# Altium PCB ARES_R30_Power.PcbDoc (part 1 of 3) (continued)
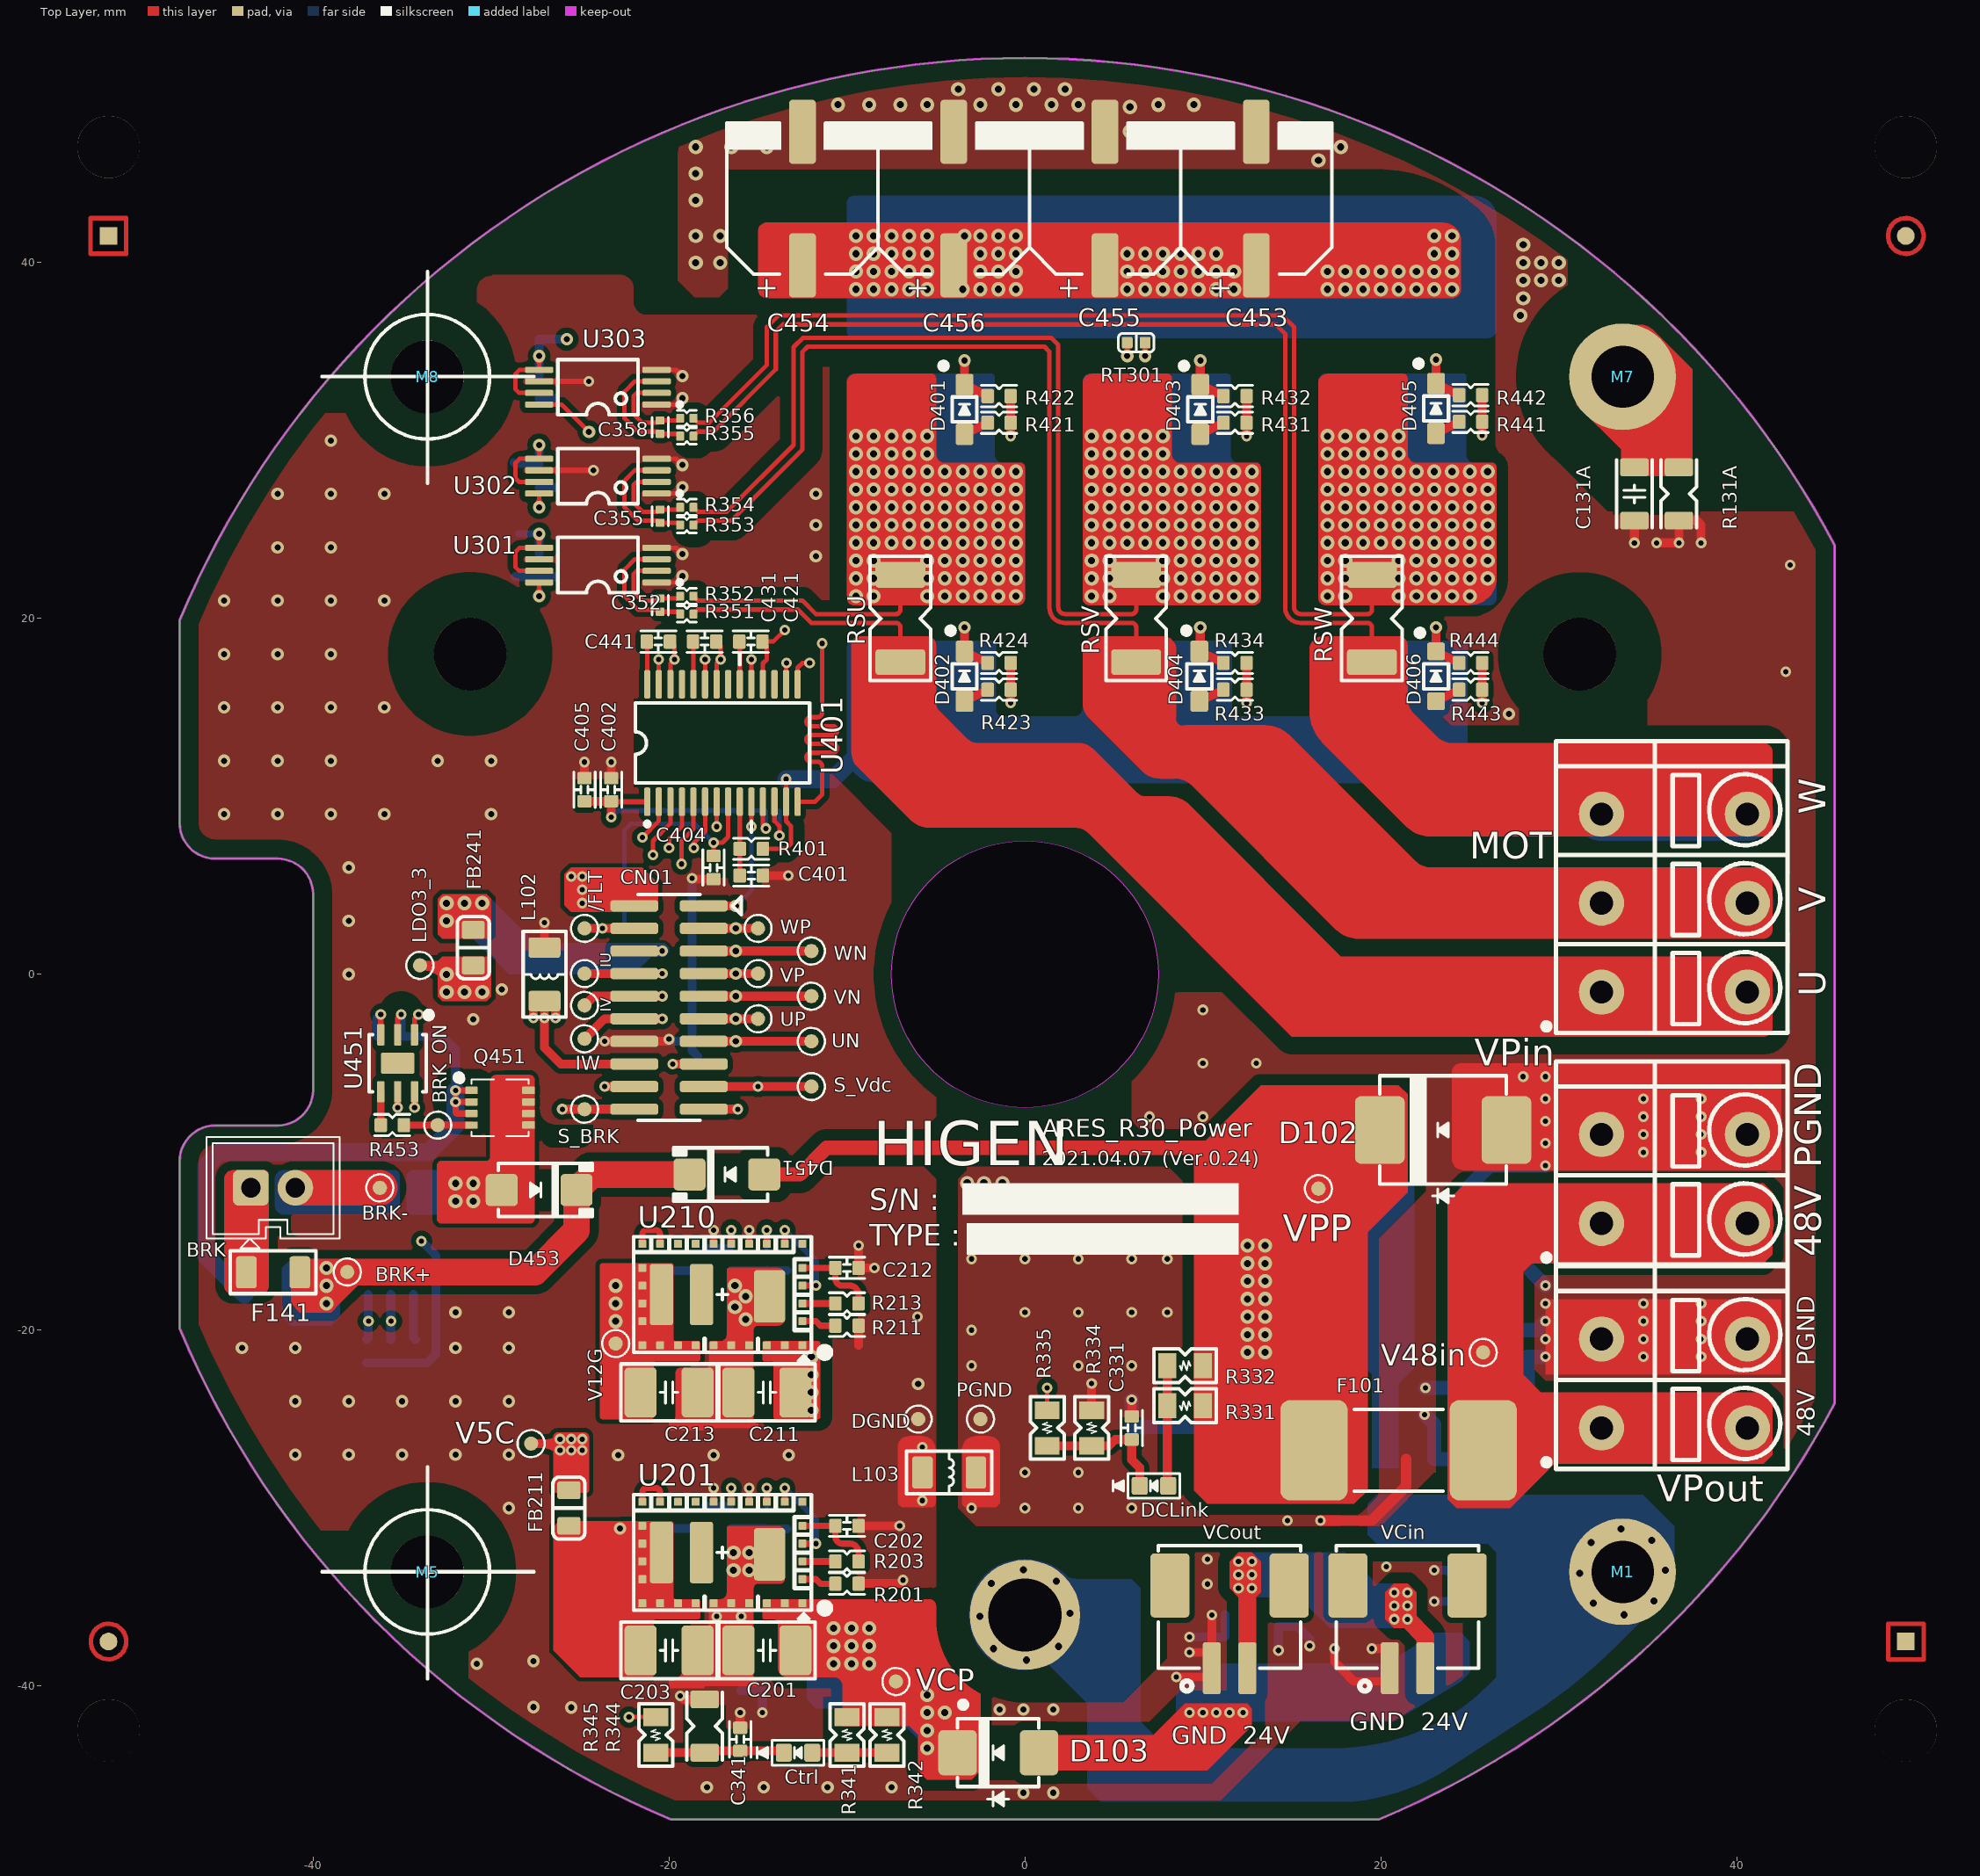
[diagram p0: Top Layer view]
## Components (designator, comment, footprint, x,y, rotation, side; value= is the part's Value field where it differs from the comment) (continued)
BRK_ON "TP" TP-SMD -33,-8.475 r90 top
C103 "4.7uF(32)/100V" c-3216 20.25,-28.75 r90 bottom
C104 "4.7uF(32)/100V" c-3216 23,-28.75 r270 bottom
C105 "10nF(57)" C-5750 22.5,-16 r180 bottom
C113 "4.7uF(32)/100V" c-3216 25.75,-38.5 r180 bottom
C114 "4.7uF(32)/100V" c-3216 25.75,-35.25 r0 bottom
C115 "10nF(32)" C-3216S 11.25,-38.75 r270 bottom
C116 "EEHZC1J220XP, D6.3H7.7" EC-F80 -13.25,-40.25 r180 bottom
C121 "10uF/100V(3225)" C-3225 8,45.5 r90 bottom
C122 "10uF/100V(3225)" C-3225 -7,45.5 r90 bottom
C123 "10uF/100V(3225)" C-3225 -2,45.5 r90 bottom
C124 "10uF/100V(3225)" C-3225 3,45.5 r90 bottom
C125 "10uF/100V(3225)" C-3225 13,45.5 r90 bottom
C131 "1uF(32)" C-3216S 28.25,-28.75 r90 bottom
C131A "1uF(32)" C-3216S 34.25,27 r270 top
C132 "EEHZC1J220XP, D6.3H7.7" EC-F80 14.75,-22.75 r270 bottom
C201 "2.2uF/100V(3225)" C-3225 -14.5,-38 r0 top
C202 "1uF(16)" C-1608S -10,-31 r0 top
C203 "22uF/10V(3225)" C-3225 -20,-38 r180 top
C211 "1uF/100V(3225)" C-3225 -14.5,-23.5 r0 top
C212 "1uF(16)" C-1608S -10,-16.5 r0 top
C213 "10uF/25V(3225)" C-3225 -20,-23.5 r180 top
C321 "100nF(16)" C-1608S -37,-21.187 r90 bottom
C322 "100nF(16)" C-1608S -35.626,-21.187 r270 bottom
C323 "10n(16)" C-1608S -34.25,-21.187 r270 bottom
C331 "1uF(16)" C-1608S 6,-25.5 r90 top
C341 "1uF(16)" C-1608S -16,-43 r90 top
C351 "100nF(16)" C-1608S -27.3,23 r270 bottom
C352 "330pF(10)" C-1005S -20.5,20.75 r270 top
C353 "100nF(16)" C-1608 -29.25,24.75 r180 bottom
C354 "100nF(16)" C-1608S -27.3,28 r270 bottom
C355 "330pF(10)" C-1005S -20.5,25.75 r270 top
C356 "100nF(16)" C-1608 -28.75,28 r270 bottom
C357 "100nF(16)" C-1608S -27.3,33 r270 bottom
C358 "330pF(10)" C-1005S -20.5,30.75 r270 top
C359 "100nF(16)" C-1608 -27.3,36.5 r90 bottom
C401 "1nF(16)" C-1608S -15.375,5.55 r180 top
C402 "10uF(16)" C-1608S -23.25,10.375 r90 top
C403 "2.2nF(10)" C-1005S -14.2,9.2 r180 bottom
C404 "1nF(16)" C-1608S -17.5,6 r90 top
C405 "10uF(16)" C-1608S -24.75,10.375 r90 top
C421 "2.2uF(16)" C-1608S -15.4,18.7 r0 top
C431 "2.2uF(16)" C-1608S -18,18.7 r180 top
C441 "2.2uF(16)" C-1608S -20.6,18.7 r180 top
C451 "1uF(16)" C-1608S -35.75,-3.5 r0 bottom
C452 "3.3uF/100V(3225)" C-3225 -42.25,-18 r0 bottom
C453 "47uF/63V/ZC_Series(8D_10.2L)" EC-H10 13,43.6 r90 top
C454 "47uF/63V/ZC_Series(8D_10.2L)" EC-H10 -12.5,43.6 r90 top
C455 "47uF/63V/ZC_Series(8D_10.2L)" EC-H10 4.5,43.6 r90 top
C456 "47uF/63V/ZC_Series(8D_10.2L)" EC-H10 -4,43.6 r90 top
CN01 "C21272-S022-20G" PH08SMD-D20P_PWR -20,-1.865 r270 top
Ctrl "BL-HG036A-AV-TRB(16)" LED-1608-G -12.75,-43.75 r180 top
D102 "5.0SMDJ70CA/LittelFuse" DO-214AB 23.5,-8.75 r180 top
D103 "SS26T3G" DO-214AA -1.5,-43.75 r180 top value=SKIP
D104 "SMAJ33A/LittelFuse" SMA 14.25,-38.75 r270 bottom
D401 "PMEG6010CEJ" SOD-323#1 -3.395,31.75 r90 top
D402 "PMEG6010CEJ" SOD-323#1 -3.395,16.75 r90 top
D403 "PMEG6010CEJ" SOD-323#1 9.855,31.75 r90 top
D404 "PMEG6010CEJ" SOD-323#1 9.8,16.75 r90 top
D405 "PMEG6010CEJ" SOD-323#1 23.105,31.8 r90 top
D406 "PMEG6010CEJ" SOD-323#2 23.105,16.75 r90 top
D451 "US1M" SMA -16.75,-11.25 r180 top
D453 "US1M" SMA -27.3,-12.125 r0 top
DCLink "BLUE LED(16)" LED-1608-B 7.25,-28.75 r180 top
DGND "TP" TP-SMD -6,-25 r0 top
F101 "1025HC50-RTR, 50A" FUSE-SMT_1025HC50-RTR_50A 21,-26.75 r180 top
F111 "0448.01.5/85V, 1.5A/LittelFuse" 0448.005 18.25,-38.35 r270 bottom
F141 "C1F1.5" C-3216 -42.25,-16.75 r0 top
FB211 "CP201209T-151Y" L-2012 -25.625,-30 r90 top
FB241 "CP201209T-151Y" L-2012 -31,1.5 r270 top
IU "TP" TP-SMD -24.75,0.04 r90 top
IV "TP" TP-SMD -24.75,-1.75 r0 top
IW "TP" TP-SMD -24.75,-3.625 r90 top
L102 "Inductor" L-3216 -27,0 r90 top value=MMZ3216R301
L103 "Inductor" L-3216 -4.258,-28 r180 top value=MMZ3216R301
LDO3_3 "TP" TP-SMD -34,0.5 r0 top
M1 "TH3.5" MH-3.5MM 33.588,-33.588 r0 top locked
M2 "SMTSOB-M3-2ET, PEM" SMTSOB-M3-2 0,-36 r180 bottom locked
M3 "SMTSOB-M3-2ET, PEM(BOTTOM)" SMTSOB-M3-2_BOT 31.177,18 r180 bottom
M4 "SMTSOB-M3-2ET, PEM(BOTTOM)" SMTSOB-M3-2_BOT -31.177,18 r180 bottom
M5 "NTH4.1" NTH4.1 -33.588,-33.588 r0 top
M7 "TH3.5" MH-3.5MM 33.588,33.588 r0 top
M8 "NTH4.1" NTH4.1 -33.588,33.588 r0 top locked
MOT "DG271V-5.0-03P" DG271V-5.0-03P 36.5,4 r90 top
PGND "TP" TP-SMD -2.5,-25 r0 top
Q411 "IPT012N08N5" PG-HSOF-8-1#1 -5,37 r180 bottom
Q412 "IPT012N08N5" PG-HSOF-8-1#1 -5,22 r180 bottom
Q421 "IPT012N08N5" PG-HSOF-8-1#1 8.25,37 r180 bottom
Q422 "IPT012N08N5" PG-HSOF-8-1#1 8.25,22 r180 bottom
Q431 "IPT012N08N5" PG-HSOF-8-1#2 21.5,37 r180 bottom
Q432 "IPT012N08N5" PG-HSOF-8-1#1 21.5,22 r180 bottom
Q451 "NTTFS5826NL" WDFN-8 -29.5,-7.5 r270 top
R131 "2M(32)" R-3216S 25.75,-28.75 r90 bottom
R131A "2M(32)" R-3216S 36.75,27 r270 top
R201 "698kF(16)" R-1608S -10,-34.25 r0 top
R202 "21.5k(16)" R-1608S -14.5,-30.5 r270 bottom
R203 "10k(16)" R-1608S -10,-33 r180 top
R204 "75kF(16)" R-1608S -18,-30.5 r90 bottom
R205 "16.2kF(16)" R-1608S -16.5,-30.5 r270 bottom
R211 "200kF(16)" R-1608S -10,-19.75 r0 top
R212 "8.06k(16)" R-1608S -14.5,-16 r270 bottom
R213 "10k(16)" R-1608S -10,-18.5 r180 top
R214 "196kF(16)" R-1608S -18,-16 r90 bottom
R215 "15.8kF(16)" R-1608S -16.5,-16 r270 bottom
R331 "20K(20)" RES-2012 9,-24.25 r180 top
R332 "20K(20)" RES-2012 9,-22 r180 top
R334 "100R(20)" RES-2012 3.75,-25.5 r90 top
R335 "330R(20)" RES-2012 1.25,-25.5 r90 top
R341 "20K(20)" RES-2012 -10,-42.75 r270 top
R342 "20K(20)" RES-2012 -7.75,-42.75 r270 top
R344 "100R(32)" R-3216S -18,-42.25 r90 top
R345 "330R(20)" RES-2012 -20.75,-42.75 r90 top
R351 "12R(10)" R-1005S -19,20.25 r180 top
R352 "12R(10)" R-1005S -19,21.25 r180 top
R353 "12R(10)" R-1005S -19,25.25 r180 top
R354 "12R(10)" R-1005S -19,26.25 r180 top
R355 "12R(10)" R-1005S -19,30.25 r180 top
R356 "12R(10)" R-1005S -19,31.25 r180 top
R401 "1k(16)" R-1608S -15.375,7.05 r180 top
R402 "10k(16)" R-1608S -22.5,2 r90 bottom
R411 "3.3k(16)" R-1608S -18.05,3.85 r180 bottom
R412 "2k(16)" R-1608S -18.05,-2.5 r0 bottom
R413 "2k(16)" R-1608S -18.05,-3.77 r0 bottom
R414 "2k(16)" R-1608S -18.05,0.04 r0 bottom
R415 "2k(16)" R-1608S -18.05,-1.23 r0 bottom
R416 "2k(16)" R-1608S -18.05,2.58 r180 bottom
R417 "2k(16)" R-1608S -18.05,1.31 r180 bottom
R418 "2M(10)" RES-1005S -15.8,9.2 r180 bottom
R421 "10R(16)" R-1608S -1.45,31 r180 top
R422 "100R(16)" R-1608S -1.45,32.5 r180 top
R423 "10R(16)" R-1608S -1.45,16 r180 top
R424 "100R(16)" R-1608S -1.45,17.5 r180 top
R431 "10R(16)" R-1608S 11.8,31 r180 top
R432 "100R(16)" R-1608S 11.8,32.5 r180 top
R433 "10R(16)" R-1608S 11.8,16 r180 top
R434 "100R(16)" R-1608S 11.8,17.5 r180 top
R441 "10R(16)" R-1608S 25.05,31.05 r180 top
R442 "100R(16)" R-1608S 25.05,32.55 r180 top
R443 "10R(16)" R-1608S 25.05,16 r180 top
R444 "100R(16)" R-1608S 25.05,17.5 r180 top
R453 "10R(16)" R-1608S -35.55,-8.475 r180 top
R461 "0R02/3W(6432)" R-6432 16,9 r90 bottom
R462 "0R02/3W(6432)" R-6432 22,9 r90 bottom
R463 "0R02/3W(6432)" R-6432 9.5,9 r90 bottom
RSU "PMR18EZPFV3L00(32)" R-5025 -7,20 r90 top
RSV "PMR18EZPFV3L00(32)" R-5025 6.25,20 r90 top
RSW "PMR18EZPFV3L00(32)" R-5025 19.5,20 r90 top
RT301 "NTCG103JF103FT1" L-1005 6.25,35.5 r180 top
S_BRK "TP" TP-SMD -24.75,-7.58 r90 top
S_Vdc "TP" TP-SMD -12,-6.31 r270 top
U201 "MAXM17575ALI#" LGA28-0.5MM-10X6.5_3.45 -17,-32.5 r180 top
U210 "MAXM17575ALI#" LGA28-0.5MM-10X6.5_3.45 -17,-18 r180 top
U301 "INA240A1PWR" TSSOP-8 -24,23 r90 top
U302 "INA240A1PWR" TSSOP-8 -24,28 r90 top
U303 "INA240A1PWR" TSSOP-8 -24,33 r90 top
U321 "ACS725LLCTR-10AU-T" SO-8 -35,-15 r0 bottom
U401 "6EDL04N02PR" TSSOP-28 -17,13 r0 top
U451 "UCC27512DRS" WSON-6 -35.25,-5 r180 top
UN "TP" TP-SMD -12,-3.77 r180 top
UP "TP" TP-SMD -15,-2.5 r180 top
V5C "TP" TP-SMD -27.75,-26.375 r0 top
V12G "TP" TP-SMD -23,-20.75 r0 top
V48in "TP" TP-SMD 25.75,-21.25 r180 top
VCin "MOLEX_502443-0260" MOLEX_502443-0260 21.5,-39 r0 top
VCout "MOLEX_502443-0260" MOLEX_502443-0260 11.5,-39 r0 top
VCP "TP" TP-SMD -7.25,-39.75 r0 top
VN "TP" TP-SMD -12,-1.23 r180 top
VP "TP" TP-SMD -15,0.04 r180 top
VPin "DG271V-5.0-02P" DG271V-5.0-02P 36.5,-11.5 r90 top
VPout "DG271V-5.0-02P" DG271V-5.0-02P 36.5,-23 r90 top
VPP "TP" TP-SMD 16.495,-12.047 r270 top
WN "TP" TP-SMD -12,1.31 r180 top
WP "TP" TP-SMD -15,2.58 r180 top

## Footprints (in the part's own frame and the unit in brackets; to place one, negate y for a bottom-side part, rotate by r counter-clockwise, add the part's x,y. Pads: shape width x height; smd on the part's side, far side on the other; paste and mask are expansions set on the pad)
0448.005 [mm]
  rrect20% 2x3.15 smd: 1(-2.5,0) 2(2.5,0)
  silkscreen extent -1.3,-1.3 1.3,1.3
C-1005S [mm] "0402 Chip Capacitor"
  rrect25% 0.45x0.5 smd: 1(-0.375,0) 2(0.375,0)
  silkscreen extent -0.55,-0.45 0.55,0.45, body extent -0.5,-0.25 0.5,0.25, height 0.5
C-1608 [mm] "0603 Chip Capacitor"
  rrect25% 0.8x0.9 smd: 1(-0.8,0) 2(0.8,0)
  Top Layer pour cut-out: -0.6,0.75 0.6,0.75 0.6,-0.75 -0.6,-0.75
  silkscreen extent -1.4,-0.65 1.4,0.65, body extent -0.8,-0.4 0.8,0.4, height 0.8
C-1608S [mm] "0603 Chip Capacitor"
  rrect25% 0.7x0.8 smd: 1(-0.65,0) 2(0.65,0)
  Top Layer pour cut-out: -0.6,0.7 0.6,0.7 0.6,-0.7 -0.6,-0.7
  silkscreen extent -1,-0.6 1,0.6, body extent -0.8,-0.4 0.8,0.4, height 0.8
c-3216 [mm] "1206 Chip Capacitor"
  rrect25% 1.15x1.8 smd: 1(-1.5,0) 2(1.5,0)
  Top Layer pour cut-out: -1.2,1.2 1.2,1.2 1.2,-1.2 -1.2,-1.2
  silkscreen extent -2.4,-1.2 2.4,1.2, body extent -1.6,-0.8 1.6,0.8, height 0.79
C-3216 [mm] "1206 Chip Capacitor"
  rrect25% 1.15x1.8 smd: 1(-1.5,0) 2(1.5,0)
  Top Layer pour cut-out: -1.2,1.2 1.2,1.2 1.2,-1.2 -1.2,-1.2
  silkscreen extent -2.4,-1.2 2.4,1.2, body extent -1.6,-0.8 1.6,0.8, height 0.79
C-3216S [mm] "1206 Chip Capacitor"
  rrect25% 1x1.6 smd: 1(-1.5,0) 2(1.5,0)
  Top Layer pour cut-out: -1.2,1.2 1.2,1.2 1.2,-1.2 -1.2,-1.2
  silkscreen extent -1.9,-1 1.9,1, body extent -1.6,-0.8 1.6,0.8, height 0.79
C-3225 [mm] "1210 Chip Capacitor"
  rrect25% 1.8x2.8 smd: 1(-1.6,0) 2(1.6,0)
  Top Layer pour cut-out: -1.2,1.7 1.2,1.7 1.2,-1.7 -1.2,-1.7
  silkscreen extent -2.7,-1.6 2.7,1.6, body extent -1.6,-1.25 1.6,1.25, height 0.77
C-5750 [mm] "2220 Chip Capacitor"
  rrect30% 2.5x5.2 smd: 1(-2.25,0) 2(2.25,0)
  silkscreen extent -3.8,-2.9 3.8,2.9, body extent -2.85,-2.5 2.85,2.5, height 2.5
DF1B-2P-2.5DSA [mm]
  rrect30% 2x2 hole 1.1: 1(-1.25,0)
  round 2 hole 1.1: 2(1.25,0)
  silkscreen extent -3.75,-3.4 3.75,2.85
DG271V-5.0-02P [mm]
  round 2.54 / inner round 2.286 / far side round 2.54 hole 1.3: 1(-2.5,4.1) 1(-2.5,-4.1) 2(2.5,-4.1) 2(2.5,4.1)
  silkscreen extent -4.8,-6.35 6.6,6.65, body extent -4.8,-6.35 6.6,6.65, height 14.8
DG271V-5.0-03P [mm]
  round 2.54 / inner round 2.286 / far side round 2.54 hole 1.3: 1(-5,-4.1) 1(-5,4.1) 2(0,-4.1) 2(0,4.1) 3(5,-4.1) 3(5,4.1)
  silkscreen extent -7.3,-6.35 9.1,6.65, body extent -7.3,-6.35 9.1,6.65, height 14.8
DO-214AA [mil] "DO-214AA(SMB) (FS PKG Code P6)"
  rrect25% 85x100 smd: 1(-90,0) 2(90,0)
  Top Layer pour cut-out: -59.06,61.02 59.06,61.02 59.06,-61.02 -59.06,-61.02
  silkscreen extent -90,-110 90,118, body extent -106,-71 106,71, height 91
DO-214AB [mil] "DO-214AB(SMC) (FS PKG Code P7)"
  rrect25% 110x150 smd: 1(-140,0) 2(140,0)
  Top Layer pour cut-out: 38.17,86.61 102.36,86.61 102.36,-86.61 43.39,-86.61 38.16,-81.39
  silkscreen extent -140,-120 140,161, body extent -156,-116 156,116, height 91
EC-F80 [mm] "6.3X7.7(ΦDXL) / 6.6X6.6mm"
  rrect25% 3.5x1.2 smd: 1(-2.7,0) 2(2.7,0)
  Top Layer pour cut-out: -0.95,3.4 0.95,3.4 0.95,-3.4 -0.95,-3.4
  silkscreen extent -3.4,-3.4 3.4,3.4, body extent -3.8,-3.3 3.8,3.3, height 8
EC-H10 [mm] "8.0X10.0(ΦDXL) / 8.3X8.3mm"
  rrect25% 3.6x1.5 smd: 1(-3.75,0) 2(3.75,0)
  Top Layer pour cut-out: -1.65,4.2 1.65,4.2 1.65,-4.2 -1.65,-4.2
  silkscreen extent -4.25,-4.25 4.25,4.25, body extent -4.95,-4.15 4.95,4.15, height 10.21
FUSE-SMT_1025HC50-RTR_50A [mm]
  rrect30% 3.79x5.65 smd: 1(-4.755,0) 2(4.755,0)
  silkscreen extent -2.5,-2.3 2.5,2.3, body extent -5,-1.57 5,1.58, height 3.15
L-1005 [mm] "Chip Ferrite Bead, 2-Leads, Body 1.00x0.50mm, IPC Medium Density"
  rrect25% 0.6x0.65 smd: 1(-0.5,0) 2(0.5,0)
  Top Layer pour cut-out: -0.35,0.6 0.35,0.6 0.35,-0.6 -0.35,-0.6
  silkscreen extent -1,-0.53 1,0.52, body extent -0.5,-0.25 0.5,0.25, height 0.4
L-2012 [mm] "Chip Ferrite Bead, 2-Leads, Body 2.00x1.25mm, IPC Medium Density"
  rrect25% 1x1.3 smd: 1(-1,0) 2(1,0)
  Top Layer pour cut-out: -0.85,0.95 0.85,0.95 0.85,-0.95 -0.85,-0.95
  silkscreen extent -1.75,-0.9 1.75,0.9, body extent -1,-0.6 1,0.6, height 0.6
L-3216 [mm] "Chip Ferrite Bead, Body 3.2x1.6mm, IPC Medium Density"
  rrect25% 1.15x1.8 smd: 1(-1.5,0) 2(1.5,0)
  Top Layer pour cut-out: -1.35,1.2 1.35,1.2 1.35,-1.2 -1.35,-1.2
  silkscreen extent -2.4,-1.2 2.4,1.2, body extent -1.6,-0.8 1.6,0.8, height 0.65
LED-1608-B [mm] "Blue"
  rrect25% 0.9x1 smd: 1(-0.8,0) 2(0.8,0)
  Top Layer pour cut-out: -0.65,0.8 0.65,0.8 0.65,-0.8 -0.65,-0.8
  silkscreen extent -1.45,-0.7 2.3,0.7, body extent -0.8,-0.4 0.8,0.4, height 0.4
LED-1608-G [mm] "Green"
  rrect25% 0.9x1 smd: 1(-0.8,0) 2(0.8,0)
  Top Layer pour cut-out: -0.65,0.8 0.65,0.8 0.65,-0.8 -0.65,-0.8
  silkscreen extent -1.45,-0.7 2.3,0.7, body extent -0.8,-0.4 0.8,0.4, height 0.4
LGA28-0.5MM-10X6.5_3.45 [mm]
  rrect20% 0.45x0.45 smd: 1(-4.5,2.85) 2(-4.5,1.5) 3(-4.5,0.5) 4(-4.5,-0.5) 5(-4.5,-1.5) 6(-4.5,-2.85) 7(-3.5,-2.85) 8(-2.5,-2.85) 9(-1.5,-2.85) 10(-0.5,-2.85) 11(0.5,-2.85) 12(1.5,-2.85) 13(2.5,-2.85) 14(3.5,-2.85) 15(4.5,-2.85) 16(4.5,-1.5) 17(4.5,-0.5) 18(4.5,0.5) 19(4.5,1.5) 20(4.5,2.85) 21(3.5,2.85) 22(2.5,2.85) 23(1.5,2.85) 24(0.5,2.85) 25(-0.5,2.85) 26(-1.5,2.85) 27(-2.5,2.85) 28(-3.5,2.85)
  rrect20% 1.75x2.95 smd: EP1(-2.65,0.1)
  rrect20% 1.3x3.45 smd: EP2(3.425,0) EP3(1.175,0)
  Top Layer pour cut-out: -5,3.25 -5,-3.25 5,-3.25 5,3.25
  silkscreen extent -5,-3.25 5,3.73
MH-3.5MM [mm]
  round 6 hole 3.5: 1(0,0)
  Multi-Layer pour cut-out: 0,6 -2.296,5.543 -4.243,4.243 -5.543,2.296 -6,0 -6,0 -5.543,-2.296 -4.243,-4.243 -2.296,-5.543 0,-6 0,-6 2.296,-5.543 4.243,-4.243 5.543,-2.296 6,0 6,0 5.543,2.296 4.243,4.243 2.296,5.543 0,6
  body extent -2.75,-2.75 2.75,2.75, height 1.96
MOLEX_502443-0260 [mm]
  rrect20% 1x2.9 smd: 1(-1,0) 2(1,0)
  rrect20% 2.2x3.6 smd: 3(3.35,4.65) 4(-3.35,4.65)
  silkscreen extent -4,-1.28 4,6.9, body extent -4,-0.95 4,6.9, height 7.53
NTH4.1 [mm]
  round 4.1 hole 4.1 unplated: 1(0,-0.008)
  Multi-Layer pour cut-out: 0.008,5.05 -0.001,5.05 1.913,4.669 3.535,3.585 4.619,1.963 5,0.049 5,0.049 5,-0.058 4.62,-1.968 3.538,-3.588 1.918,-4.67 0.008,-5.05 0.008,-5.05 -1.908,-4.669 -3.533,-3.583 -4.619,-1.958 -5,-0.042 -5,-0.042 -5,0.042 -4.619,1.958 -3.533,3.583 -1.908,4.669 0.008,5.05
  silkscreen extent -5.91,-6 5.99,5.9, body extent -2.78,-2.78 2.78,2.78, height 4
PG-HSOF-8-1#1 [mm] "OptiMOSTM Power-Transistor"
  rrect30% 0.6x3 smd: 1(-4.2,-4.8) 2(-3,-4.8) 3(-1.8,-4.8) 4(-0.6,-4.8) 5(0.6,-4.8) 6(1.8,-4.8) 7(3,-4.8) 8(4.2,-4.8)
  rrect10% 10x8 smd: 9(0,2.75)
  Top Layer region: -3.3,-3.4 -3.2,-3.3 4.4,-3.3 4.5,-3.4 4.5,-5.3 -3.3,-5.3
  silkscreen extent -5,-5.3 5,5.1, body extent -4.95,-5.87 4.95,5.8, height 2.3
PG-HSOF-8-1#2 [mm] "OptiMOSTM Power-Transistor"
  rrect30% 0.6x3 smd: 1(-4.2,-4.8) 2(-3,-4.8) 3(-1.8,-4.8) 4(-0.6,-4.8) 5(0.6,-4.8) 6(1.8,-4.8) 7(3,-4.8) 8(4.2,-4.8)
  rrect30% 10x8 smd: 9(0,2.75)
  Top Layer region: -3.3,-3.4 -3.2,-3.3 4.4,-3.3 4.5,-3.4 4.5,-5.3 -3.3,-5.3
  silkscreen extent -5,-5.3 5,5.1, body extent -4.95,-5.87 4.95,5.8, height 2.3
PH08SMD-D20P_PWR [mm] "1.27mm pitch SMD 2row pin header"
  rrect50% 0.635x2.7 smd: 1(-5.715,1.95) 2(-5.715,-1.95) 3(-4.445,1.95) 4(-4.445,-1.95) 5(-3.175,1.95) 6(-3.175,-1.95) 7(-1.905,1.95) 8(-1.905,-1.95) 9(-0.635,1.95) 10(-0.635,-1.95) 11(0.635,1.95) 12(0.635,-1.95) 13(1.905,1.95) 14(1.905,-1.95) 15(3.175,1.95) 16(3.175,-1.95) 17(4.445,1.95) 18(4.445,-1.95) 19(5.715,1.95) 20(5.715,-1.95)
  silkscreen extent -6.35,-1.75 6.35,4.06, body extent -6.35,-1.75 6.35,1.75, height 2.2
R-1005S [mm] "0402 Chip Resistor"
  rrect25% 0.45x0.5 smd: 1(-0.375,0) 2(0.375,0)
  silkscreen extent -0.55,-0.45 0.55,0.45, body extent -0.5,-0.25 0.5,0.25, height 0.4
R-1608S [mm] "0603 Chip Resistor"
  rrect25% 0.7x0.8 smd: 1(-0.65,0) 2(0.65,0)
  Top Layer pour cut-out: -0.6,0.75 0.6,0.75 0.6,-0.75 -0.6,-0.75
  silkscreen extent -1,-0.6 1,0.6, body extent -0.8,-0.4 0.8,0.4, height 0.55
R-3216S [mm] "1206 Chip Resistor"
  rrect25% 1x1.6 smd: 1(-1.5,0) 2(1.5,0)
  Top Layer pour cut-out: -1.2,1.2 1.2,1.2 1.2,-1.2 -1.2,-1.2
  silkscreen extent -1.9,-1 1.9,1, body extent -1.6,-0.8 1.6,0.8, height 0.65
R-5025 [mm] "2010 Chip Resistor"
  rrect25% 1.45x2.8 smd: 1(-2.45,0) 2(2.45,0)
  Top Layer pour cut-out: -2.1,1.7 2.1,1.7 2.1,-1.7 -2.1,-1.7
  silkscreen extent -3.5,-1.7 3.5,1.7, body extent -2.5,-1.25 2.5,1.25, height 0.7
R-6432 [mm] "2512 Chip Resistor"
  rrect25% 2x3.2 smd: 1(-3.1,0) 2(3.1,0)
  silkscreen extent -3.25,-1.87 3.25,1.87, body extent -3.2,-1.6 3.2,1.6, height 0.76
RES-1005S [mm] "Resistor-0402"
  rrect20% 0.4x0.5 smd: 1(-0.45,0) 2(0.45,0)
  Top Layer pour cut-out: -0.25,0.35 0.25,0.35 0.25,-0.35 -0.25,-0.35
  silkscreen extent -0.15,-0.3 0.15,0.3, body extent -0.5,-0.25 0.5,0.25, height 0.25
RES-2012 [mm] "Resistor-0805"
  rect 1x1.4 smd: 1(-1,0) 2(1,0)
  Top Layer pour cut-out: -0.5,0.8 0.5,0.8 0.5,-0.8 -0.5,-0.8
  silkscreen extent -1.75,-0.95 1.75,0.95, body extent -1.01,-0.63 1.01,0.64, height 0.61
SMA [mm] "DO-214AC"
  rrect25% 1.8x1.8 smd: 1(-2.1,0) 2(2.1,0)
  Top Layer pour cut-out: -1.5,1.2 1.5,1.2 1.5,-1.2 -1.5,-1.2
  silkscreen extent -2.3,-1.5 3,1.5, body extent -2.6,-1.3 2.6,1.3, height 2.42
SMTSOB-M3-2 [mm]
  round 6.2 hole 4.1: 1(0,-0.008)
  silkscreen extent -3.5,-3.5 3.5,3.5, body extent -2.78,-2.78 2.78,2.78, height 4
SMTSOB-M3-2_BOT [mm]
  round 6.2 / inner round 4.1 / far side round 4.1 hole 4.1: 1(0,-0.008)
  silkscreen extent -3.5,-3.5 3.5,3.5, body extent -2.78,-2.78 2.78,2.78, height 4
SO-8 [mil] "SO-8 package, 1.27mm pitch, 0.150\" Narrow"
  rrect50% 25x70 smd: 1(-75,-117.5) 2(-25,-117.5) 3(25,-117.5) 4(75,-117.5) 5(75,117.5) 6(25,117.5) 7(-25,117.5) 8(-75,117.5)
  silkscreen extent -116,-131 113,79, body extent -96,-118 96,118, height 69
SOD-323#1 [mm] "1.7X1.25mm Body Diode Package"
  rrect25% 1.2x1 smd: 1(-1.4,0) 2(1.4,0)
  Top Layer pour cut-out: -1.1,0.7 1.1,0.7 1.1,-0.7 -1.1,-0.7
  silkscreen extent -0.7,-0.7 0.7,0.7, body extent -1.3,-0.67 1.3,0.67, height 1.1
SOD-323#2 [mm] "1.7X1.25mm Body Diode Package"
  rrect25% 1x1 smd: 1(-1.4,0) 2(1.4,0)
  Top Layer pour cut-out: -1.1,0.7 1.1,0.7 1.1,-0.7 -1.1,-0.7
  silkscreen extent -0.7,-0.7 0.7,0.7, body extent -1.3,-0.67 1.3,0.67, height 1.1
TP-SMD [mm]
  round 0.8 smd: 1(0,0)
  silkscreen extent -0.76,-0.76 0.76,0.76
TSSOP-8 [mm]
  rrect50% 0.35x1.6 smd: 1(-0.975,-3.3) 2(-0.325,-3.3) 3(0.325,-3.3) 4(0.975,-3.3) 5(0.975,3.3) 6(0.325,3.3) 7(-0.325,3.3) 8(-0.975,3.3)
  silkscreen extent -1.55,-4.73 1.55,2.25, body extent -1.5,-3.14 1.5,3.14, height 1.09
TSSOP-28 [mm]
  rrect50% 0.35x1.6 smd: 1(-4.225,-3.3) 2(-3.575,-3.3) 3(-2.925,-3.3) 4(-2.275,-3.3) 5(-1.625,-3.3) 6(-0.975,-3.3) 7(-0.325,-3.3) 8(0.325,-3.3) 9(0.975,-3.3) 10(1.625,-3.3) 11(2.275,-3.3) 12(2.925,-3.3) 13(3.575,-3.3) 14(4.225,-3.3) 15(4.225,3.3) 16(3.575,3.3) 17(2.925,3.3) 18(2.275,3.3) 19(1.625,3.3) 20(0.975,3.3) 21(0.325,3.3) 22(-0.325,3.3) 23(-0.975,3.3) 24(-1.625,3.3) 25(-2.275,3.3) 26(-2.925,3.3) 27(-3.575,3.3) 28(-4.225,3.3)
  silkscreen extent -4.9,-5 4.9,5, body extent -4.85,-3.2 4.85,3.2, height 0.97
WDFN-8 [mm]
  rrect20% 0.42x0.7 smd: 1(-0.975,-1.6) 2(-0.325,-1.6) 5(0.975,1.6) 6(0.325,1.6) 7(-0.325,1.6) 8(-0.975,1.6)
  rrect20% 0.4x0.7 smd: 3(0.325,-1.6) 4(0.975,-1.6)
  Top Layer region: -1.175,0.2 -1.85,0.2 -1.85,-0.2 -1.175,-0.2 -1.175,-0.45 1.175,-0.45 1.175,-0.2 1.85,-0.2 1.85,0.2 1.175,0.2 1.175,1.25 -1.175,1.25
  silkscreen extent -1.82,-2.45 1.6,1.6
WSON-6 [mm]
  rrect20% 0.4x1.2 smd: 1(-0.95,-1.6) 2(0,-1.6) 3(0.95,-1.6) 4(0.95,1.6) 5(0,1.6) 6(-0.95,1.6)
  rrect20% 1.9x1.2 smd: 7(0,0)
  silkscreen extent -1.95,-2.95 1.6,1.6, body extent -1.5,-1.51 1.5,1.51, height 0.75

## Part data
/FLT BRK+ BRK- DGND IU IV IW PGND S_BRK S_Vdc V48in VCP VPP: library part 2H_TestPointThroughHole
BRK: library part Component_1
BRK_ON LDO3_3 UN UP V5C V12G VN VP WN WP: library part 2H_TestPointThroughHole, Mfr="Keystone Electronics", MfrNum=5002, PartName=TestPointThroughHole, TIIntPartnumber=2H0026, Cost10K=0.10, Cost100=0.163, DescriptiveText="Testpoint Miniature Through Hole", Vendor=Digikey
C103 C104 C105 C113 C114 C115 C121 C122 C123 C124 C125 C131 C131A C201 C202 C203 C211 C212 C213 C321 C322 C323 C331 C341 C351 C352 C353 C354 C355 C356 C357 C358 C359 C401 C402 C403 C404 C405 C421 C431 C441 C452: library part CAP_NP
C116 C132: library part CAP_Pol
C451: library part Cap_NP
C453 C454 C455 C456: library part EEE-FK1J680UP, "EEE-FK1J680UP"
CN01: library part "Header 10X2", "Header, 10-Pin, Dual row", LatestRevisionDate=17-Jul-2002, LatestRevisionNote="Re-released for DXP Platform.", Publisher="Altium Limited"
Ctrl DCLink: library part LED
D102 D104: library part Diode_TVS
D103: "DIODE SCHOTTKY 60V 2A SMB", 3DS Part Number=417-00001, Capacitance=SKIP, Dc Blocking Voltage=60V, Digikey Part Number=SS26T3GOSCT-ND, Forward Current=2A, Manufacturer="ON Semi", Max Junction Temp=+150°C, Max Surge Forward Current=40A, Mouser Part Number=863-SS26T3G, PACKAGE=403A-03, Peak Reverse Current=0.2mA, Temperature="-55°C to +150°C", Temperature Range Low=-55°C, ComponentLink1Description=Upverter, ComponentLink1URL=https://upverter.com/upn/revision/e2f486cca74213e5/, ComponentLink2Description=Datasheet, ComponentLink2URL=http://www.onsemi.cn/PowerSolutions/document/SS26-D.PDF, Datasheet Path=datasheets/Diode_ON_Semi_SS26T3G_eec.pdf, Datasheet Path1=datasheets/Diode_ON_Semi_SS26T3G_eec.pdf, Digikey Description="DIODE SCHOTTKY 60V 2A SMB", Footprint Url=http://www.onsemi.com/pub/Collateral/403A-03.PDF, Height=2.47mm, helpURL=https://upverter.com/upn/revision/e2f486cca74213e5/, Inductance=SKIP, Lead Free=yes, Library Path1=parts/Diode_ON_Semi_SS26T3G_eec.SchLib, Library Ref1=SS26T3G, Max Repetitive Reverse Voltage=60V, Mouser Description="SMB Power Surface Mount Package employing the Schottky Barrier principle in a metal-to-silicon power rectifier.", PART NUMBER=SS26T3G, Price=0.196415605484, Resistance=SKIP, RoHS=TRUE, Standoff Height=0.05mm, Supplier 1=Digi-Key, Supplier 2=Mouser, Supplier Part Number 1=SS26T3GOSCT-ND, Supplier Part Number 2=863-SS26T3G, Temperature Range High=+150°C, Verification Version=0.0.0.1, VOLTAGE=SKIP, Working Reverse Voltage=60V
D401 D402 D403 D404 D405 D406: library part Diode_schottky
D451 D453: library part Diode
F101 F111 F141: library part Fuse
FB211 FB241: library part FBead
M1 M2 M3 M4 M5 M7 M8: library part ThroughHole
MOT: library part Connector_1x3
Q411 Q412 Q421 Q422 Q431 Q432: "TRANS 80V 300A 1.2MOHM TOLL", Continuous Drain Current=300A, Digikey Part Number=IAUT300N08S5N012ATMA2CT-ND, Drain to Source Breakdown Voltage=80V, Drain to Source Resistance=1mΩ, Gate To Source Voltage=20V, Input Capacitace At Vds="12500pF @ 40V", Manufacturer=Infineon, Max Forward Diode Voltage=1.2V, Max Junction Temp=+175°C, Mouser Part Number=726-IAUT300N08S5N012, PACKAGE=PG-HSOF-8, PART NUMBER=IAUT300N08S5N012ATMA2, Power Dissipation=375W, Pulse Drain Current=1200A, Temperature="-55°C to +175°C", Temperature Range Low=-55°C, Typ Forward Diode Voltage=0.9V, Automotive=Yes, Automotive Grade="Grade 0", ComponentLink1Description=Upverter, ComponentLink1URL=https://upverter.com/part/id/5247eac4253ea04b/, ComponentLink2Description=Datasheet, ComponentLink2URL=https://www.infineon.com/dgdl/Infineon-IAUT300N08S5N012-DS-v01_00-EN.pdf?fileId=5546d46258fc0bc10158fdabe0f90580, Datasheet Path=datasheets/Trans_Infineon_IAUT300N08S5N012ATMA2_eec.pdf, Depletion Mode=False, Digikey Description="TRANS 80V 300A 1.2MOHM TOLL", Drain To Source Voltage=80V, Footprint Url=https://www.infineon.com/cms/en/product/packages/PG-HSOF/PG-HSOF-8-1/, Gate Charge At Vgs="178nC @ 10V", Height=2.4mm, helpURL=https://upverter.com/part/id/5247eac4253ea04b/, Lead Free=Yes, Mouser Description="Trans MOSFET N-CH 80V 300A Automotive 9-Pin(8+Tab) HSOF T/R", Number of Channels=1, Number Of N Channels=1, Reverse Recovery Charge=177nC, Reverse Recovery Time=86ns, RoHS=TRUE, Supplier 1=Digi-Key, Supplier 2=Mouser, Supplier Part Number 1=IAUT300N08S5N012ATMA2CT-ND, Supplier Part Number 2=726-IAUT300N08S5N012, Temperature Range High=+175°C, Threshold Vgs Max=3.8V, Threshold Vgs Min=2.2V, Turn Off Delay Time=69ns, Turn On Delay Time=31ns, Verification Version=0.0.0.3
R131 R131A R201 R202 R203 R204 R205 R211 R212 R213 R214 R215 R331 R332 R334 R335 R341 R342 R344 R345 R351 R352 R353 R354 R355 R356 R401 R402 R411 R412 R413 R414 R415 R416 R417 R418 R421 R422 R423 R424 R431 R432 R433 R434 R441 R442 R443 R444 R453 R461 R462 R463 RSU RSV RSW: library part Res
RT301: library part Res_Thermal
U301 U302 U303: "IC CURR SENSE 1 CIRCUIT 8TSSOP", Ambient Temperature Range High=+125°C, Ambient Temperature Range Low=-40°C, Digikey Part Number=296-45088-1-ND, Input Bias Current=90uA, Input Offset Voltage=0.005mV, Manufacturer="Texas Instruments", Max Junction Temp=+150°C, Max Supply Voltage=5.5V, Min Supply Voltage=2.7V, Mouser Part Number=595-INA240A1PWR, Nominal Supply Current=1.8mA, PACKAGE=PW0008A, Temperature="-40°C to +125°C", Voltage Gain=0.02V/mV, Automotive=No, Bandwidth=400kHz, ComponentLink1Description=Upverter, ComponentLink1URL=https://upverter.com/part/id/d93607e109c824dd/, ComponentLink2Description=Datasheet, ComponentLink2URL=http://www.ti.com/lit/ds/symlink/ina240.pdf, Datasheet Path=datasheets/IC_Texas_Instruments_INA240A1PWR_eec.pdf, Digikey Description="IC CURR SENSE 1 CIRCUIT 8TSSOP", Height=1.2mm, helpURL=https://upverter.com/part/id/d93607e109c824dd/, Ipc Land Pattern Name=SOP65P300X120-8, Lead Free=Yes, Number of Channels=1, PART NUMBER=INA240A1PWR, RoHS=TRUE, Standoff Height=0.05mm, Supplier 1=Digi-Key, Supplier 2=Mouser, Supplier Part Number 1=296-45088-1-ND, Supplier Part Number 2=595-INA240A1PWR, Temperature Range High=+125°C, Temperature Range Low=-40°C, Verification Version=0.0.0.3
U321: library part ACS725LLCTR
VCin VCout VPin VPout: library part Connector_1x2
L102 L103: Code_IEC=1005, Code_JEITA=0402, LatestRevisionDate=29-May-2009, LatestRevisionNote="IPC-7351 Footprint Added.", PackageDescription="Chip Inductor", PackageReference=0402-A, Published=8-Jun-2000, Publisher="Altium Limited"

## Free pads (board coordinates)
  rect 1x1 smd: 0(-51.5,41.5) 0(49.5,-37.5)
  rect 1x1 smd far side: 0(-51.5,41.5) 0(49.5,-37.5)
  round 1 smd far side: 1(-51.5,-37.5) 1(49.5,41.5)
  round 1 smd: 1(-51.5,-37.5) 1(49.5,41.5)
  round 3.5 hole 3.5 unplated: H(-51.5,-42.5) H(-51.5,46.5) H(49.5,-42.5) H(49.5,46.5)

## Via types
v1: diameter 0.8, hole 0.4, Top Layer to Bottom Layer, 435 vias
v2: diameter 0.6, hole 0.3, Top Layer to Bottom Layer, tented both sides, 164 vias
v3: diameter 0.7, hole 0.35, Top Layer to Bottom Layer, 98 vias
v4: diameter 0.6, hole 0.3, Top Layer to Bottom Layer, 24 vias
v5: diameter 0.8, hole 0.4, Top Layer to Bottom Layer, tented both sides, 7 vias
v6: diameter 0.8, hole 0.45, Top Layer to Bottom Layer, 3 vias
v7: diameter 0.7, hole 0.35, Top Layer to Bottom Layer, tented both sides, 1 vias

## Nets (pads, with @x,y where several pads share a name; then routed paths per layer and width w, separated by ;. In a path a pad name is that pad's centre, name@x,y a point inside that pad or via, vN(x,y) a via of type N, cw(c..) or ccw(c..) an arc to the next point about the centre after c; other vN are vias at no path point)
+3.3V: C321.2 FB241.2 LDO3_3.1 U321.8 | length 35.4
  Top Layer w0.5: -32.846,0.5 cw(c-32.846,-0.324) v1@-32.245,0.239 ; v1@-32.755,0.239 cw(c-32.154,-0.324) -32.154,0.5 ; v1@-32.609,-0.103 ccw(c-34,-1.406) LDO3_3.1@-34,0.5 FB241.2@-31,0.5 ; v1@-32.391,-0.103 cw(c-31,-1.406) FB241.2@-31,0.5
  Mid Layer 3 w0.5: v2(-36.889,-19.5) -37.625,-18.764 -37.625,-1.125 -36.484,0.016 -32.5,0.016 v1(-32.5,0) v1(-32.5,-1)
  Bottom Layer w0.5: C321.2@-37,-20.538 -36.905,-20.443 U321.8@-36.905,-17.985
  other v1: -31.5,-1 -30.5,-1
+5V: C351.1 C353.1 C354.1 C356.1 C357.1 C359.1 C451.1 CN01.2 FB211.2 U301.5 U301.7 U302.5 U302.7 U303.5 U303.7 U451.3 V5C.1 | length 130.6
  Top Layer w0.25: v3@-27.459,24.591 cw(c-27.843,24.207) -27.3,24.207 cw(c-26.757,24.207) v3@-27.141,24.591 ; v3@-27.459,29.591 cw(c-27.843,29.207) -27.3,29.207 cw(c-26.757,29.207) v3@-27.141,29.591 ; v3@-27.459,34.591 cw(c-27.843,34.207) -27.3,34.207 cw(c-26.757,34.207) v3@-27.141,34.591 ; U301.7@-27.3,22.675 -28.425,22.675 -28.625,22.875 -28.625,23.75 -28.4,23.975 U301.5@-27.3,23.975 v3(-27.3,24.75) ; U302.7@-27.3,27.675 -28.425,27.675 -28.625,27.875 -28.625,28.75 -28.4,28.975 U302.5@-27.3,28.975 v3(-27.3,29.75) ; U303.7@-27.3,32.675 -28.425,32.675 -28.625,32.875 -28.625,33.75 -28.4,33.975 U303.5@-27.3,33.975 v3(-27.3,34.75)
  Top Layer w0.3: v4@-36.306,-2.356 cw(c-36.562,-2.612) -36.2,-2.612 cw(c-35.838,-2.612) v4@-36.094,-2.356 ; U451.3@-36.2,-3.4 v4(-36.2,-2.25)
  Top Layer w0.5: V5C.1@-27.75,-26.375 -26.375,-26.375 ; -27.151,-26.375 cw(c-27.151,-27.776) v2@-26.16,-26.785 ; -26.849,-26.375 ccw(c-26.849,-25.401) v2@-26.16,-26.09 ; v4@-25.375,5.5 v4(-24.875,5.5) v4(-24.875,4.75) -24.875,4.5 -24.225,3.85 CN01.2@-21.95,3.85
  Mid Layer 2 w1: v4(-36.2,-2.25) -36.2,3.854 -34.554,5.5 -28.6,5.5 ; v3(-27.3,24.75) -26.6,24.75 ; v3(-27.3,29.75) -26.6,29.75 ; -25.75,-26.5 -25.75,-12.55 -24.875,-11.675 v4(-24.875,4) v4@-24.875,4.187 ; v7(-25.75,35.7) -25.75,30.6 ; -28.6,5.5 -27.5,5.5 ; -28.6,5.5 -27.5,6.6 ; -27.5,5.5 -26.4,5.5 ; -27.5,5.5 -27.5,6.6 ; -27.5,6.6 -27.5,13 -24.75,15.75 -24.75,21.125 -25.75,22.125 -25.75,23.9 ; -27.5,6.6 -26.4,5.5 ; -26.6,24.75 -25.75,24.75 ; -26.6,24.75 -25.75,23.9 ; -26.6,24.75 -25.75,25.6 ; -26.6,29.75 -25.75,29.75 ; -26.6,29.75 -25.75,30.6 ; -26.6,29.75 -25.75,28.9 ; -26.4,5.5 -26.187,5.5 ; -26.187,5.5 -25.844,5.156 v4@-24.875,4.187 ; -26.187,5.5 v4(-25.5,5.5) v4(-24.875,5.5) v4(-24.875,4.75) v4@-24.875,4.187 ; -25.75,23.9 -25.75,24.75 ; -25.75,24.75 -25.75,25.6 ; -25.75,25.6 -25.75,28.9 ; -25.75,28.9 -25.75,29.75 ; -25.75,29.75 -25.75,30.6
  Bottom Layer w0.4: C356.1@-28.75,28.8 ccw(c-28.6,28.8) -28.6,28.65 C354.1@-27.3,28.65 ; C353.1@-28.45,24.75 v3(-27.3,24.75)
  Bottom Layer w0.5: C451.1@-36.4,-3.5 -36.4,-2.45 v4(-36.2,-2.25) ; C351.1@-27.3,23.65 v3(-27.3,24.75) ; C354.1@-27.3,28.65 v3(-27.3,29.75) ; C357.1@-27.3,33.65 v3(-27.3,34.75) C359.1@-27.3,35.7 v7(-25.75,35.7)
  other v2: -26.125,-26.75 -25.5,-26.75 -24.875,-26.75 -26.125,-26.125 -25.5,-26.125 -24.875,-26.125
+12V: C213.2 C402.1 C405.1 R214.1 R418.2 U210.16 U210.17 U210.18 U210.19 U210.20 U210.21 U210.22 U210.23 U210.EP2 U401.1 V12G.1 | length 50.1
  Top Layer w0.3: C402.1@-23.25,9.725 -23.225,9.7 U401.1@-21.225,9.7
  Top Layer w0.5: C405.1@-24.75,9.725 C402.1@-23.25,9.725 v2(-23.25,8.825)
  Mid Layer 2 w1: -23.25,7.25 -23.25,6.349 ; v2(-23.25,8.825) -23.25,6.349 ; v1(-23,-19.5) v1(-23,-18.5) v1(-23,-17.5) -23,-15.8 -18.4,-11.2 -18.4,1.499 -23.25,6.349
  Bottom Layer w0.3: v2(-23.25,8.825) -22.875,9.2 R418.2@-16.25,9.2
  Bottom Layer w0.5: v1(-23,-17.5) -22.15,-16.65 R214.1@-18,-16.65
/FLT: /FLT.1 C404.2 CN01.4 R402.2 U401.8 | length 18.8
  Top Layer w0.25: C404.2@-17.5,6.65 v2(-17.5,7.4) -17,7.4 -16.675,7.725 U401.8@-16.675,9.7
  Top Layer w0.5: /FLT.1@-24.75,2.58 v4(-23.75,2.58) CN01.4@-21.95,2.58
  Bottom Layer w0.25: R402.2@-22.5,2.65 -22.5,8.109 -22.15,8.459 -18.559,8.459 v2(-17.5,7.4)
  Bottom Layer w0.5: v4(-23.75,2.58) R402.2@-22.5,2.65
AGND: C321.1 C322.2 C323.2 CN01.16 L102.1 RT301.1 U321.5 U451.5 U451.6 | length 129
  Top Layer w0.25: v3@6.591,34.909 ccw(c6.207,35.293) 6.75,35.293 ccw(c7.293,35.293) v3@6.909,34.909 ; v3(6.75,34.75) RT301.1@6.75,35.5
  Top Layer w0.35: v4@-35.338,-7.412 ccw(c-35.552,-7.198) -35.25,-7.198 ccw(c-34.948,-7.198) v4@-35.162,-7.412 ; v4(-35.25,-7.5) U451.5@-35.25,-6.6 ; v4@-34.388,-7.412 ccw(c-34.602,-7.198) -34.3,-7.198 ccw(c-33.998,-7.198) v4@-34.212,-7.412 ; v4(-34.3,-7.5) U451.6@-34.3,-6.6
  Top Layer w0.5: v4(-27.625,-2.45) -27.625,-1.5 L102.1@-27,-1.5 ; v4(-26.375,-2.45) -26.375,-1.5 L102.1@-27,-1.5 ; CN01.16@-21.95,-5.04 -26.085,-5.04 -27,-4.125 L102.1@-27,-1.5
  Mid Layer 2 w0.5: v4(-35.25,-7.5) -35.25,-13.658 v2(-33.908,-15)
  Mid Layer 2 w1: v4(-35.25,-7.5) v4(-34.3,-7.5) -33.5,-6.7 -33.5,-5.6 -32.4,-4.5 -30.5,-4.5 -28.45,-2.45 v4(-27.625,-2.45) v4(-27,-2.45) v4(-26.375,-2.45)
  Mid Layer 3 w0.25: v4@-27.124,-2.326 ccw(c-27.422,-2.028) -27,-2.028 ccw(c-26.578,-2.028) v4@-26.876,-2.326 ; v4(-27,-2.45) -27,-0.379 -28,0.621 -28,4.832 -37.625,14.457 -37.625,21.5 -22.625,36.5 -12.5,36.5 -9,33 5,33 v3(6.75,34.75)
  Mid Layer 3 w0.6: v4(-27.625,-2.45) v4(-27,-2.45) v4(-26.375,-2.45)
  Bottom Layer w0.5: C321.1@-37,-21.837 C322.2@-35.626,-21.837 C323.2@-34.25,-21.837 -33.587,-21.837 -33.095,-21.345 U321.5@-33.095,-17.985 -33.095,-15.813 v2(-33.908,-15)
AI_BRK_CUR: C322.1 CN01.20 S_BRK.1 U321.7 | length 24.9
  Top Layer w0.5: v4(-26,-7.58) S_BRK.1@-24.75,-7.58 CN01.20@-21.95,-7.58
  Mid Layer 3 w0.25: v2(-35.613,-19.5) -35.613,-13.135 -31.978,-9.5 ; -32,-9.5 -27.92,-9.5 v4(-26,-7.58)
  Bottom Layer w0.5: U321.7@-35.635,-17.985 -35.635,-20.529 C322.1@-35.626,-20.538
AI_MOS: CN01.19 RT301.2 | length 99.3
  Top Layer w0.25: v3@5.591,34.909 ccw(c5.207,35.293) 5.75,35.293 ccw(c6.293,35.293) v3@5.909,34.909 ; v3(5.75,34.75) RT301.2@5.75,35.5
  Top Layer w0.5: CN01.19@-18.05,-7.58 v4(-16.13,-7.58)
  Mid Layer 3 w0.25: v4(-16.13,-7.58) -19.31,-4.4 -21.7,-4.4 -22.1,-4.8 -27.2,-4.8 -28.5,-3.5 -28.5,4.625 -38.125,14.25 -38.125,21.707 -24.082,35.75 -22.832,37 -12.293,37 -8.793,33.5 4.5,33.5 v3(5.75,34.75)
AI_Vcon: CN01.18 R345.2 | length 42.4
  Top Layer w0.25: v2(-22.25,-41.75) R345.2@-20.75,-41.75
  Top Layer w0.5: v4(-23.625,-6.31) CN01.18@-21.95,-6.31
  Mid Layer 3 w0.25: v4(-23.625,-6.31) -23.625,-7.125 -25,-8.5 -25,-20 -27.5,-22.5 -27.5,-36.5 v2(-22.25,-41.75)
AI_Vdc: CN01.17 R335.2 S_Vdc.1 | length 31
  Top Layer w0.25: R335.2@1.25,-24.5 v2(1.25,-23.25)
  Top Layer w0.5: CN01.17@-18.05,-6.31 v2(-15,-6.31) S_Vdc.1@-12,-6.31
  Mid Layer 3 w0.25: v2(-15,-6.31) -4.31,-17 1.25,-22.56 v2(1.25,-23.25)
BRK+: BRK+.1 C452.2 D451.2 D453.2 F141.2 | length 22.8
  Top Layer w1.5: BRK+.1@-38.081,-16.731 -27.531,-16.731 -25.2,-14.4 D453.2@-25.2,-12.125 -24.325,-11.25 D451.2@-18.85,-11.25
  other v1: -39.25,-18.5 -39.25,-17.5 -39.25,-16.5
BRK-: BRK-.1 BRK.2 U321.1 U321.2 | length 4.7
  Top Layer w2: BRK.2@-41,-12 BRK-.1@-36.25,-12
BRKout: D453.1 Q451.5 Q451.6 Q451.7 Q451.8 U321.3 U321.4
  other v1: -32,-12.75 -31,-12.75 -32,-11.75 -31,-11.75